# Altium PCB DDR3.PcbDoc (part 5 of 6)
Units mm, origin at the board's own origin, x right, y up, seen from the top; angles counter-clockwise.
Board outline 67.6 x 30 mm, 8 copper layers (L1 Top, L2 GND, L3 Sig, L4 (PWR), L5 (PWR), L6 Sig, L7 GND, L8 Bot), stack 1.714 mm thick; 216 components, 253 nets, 1243 pads, 806 vias.
Unrouted connection lines stored in the file: 13.
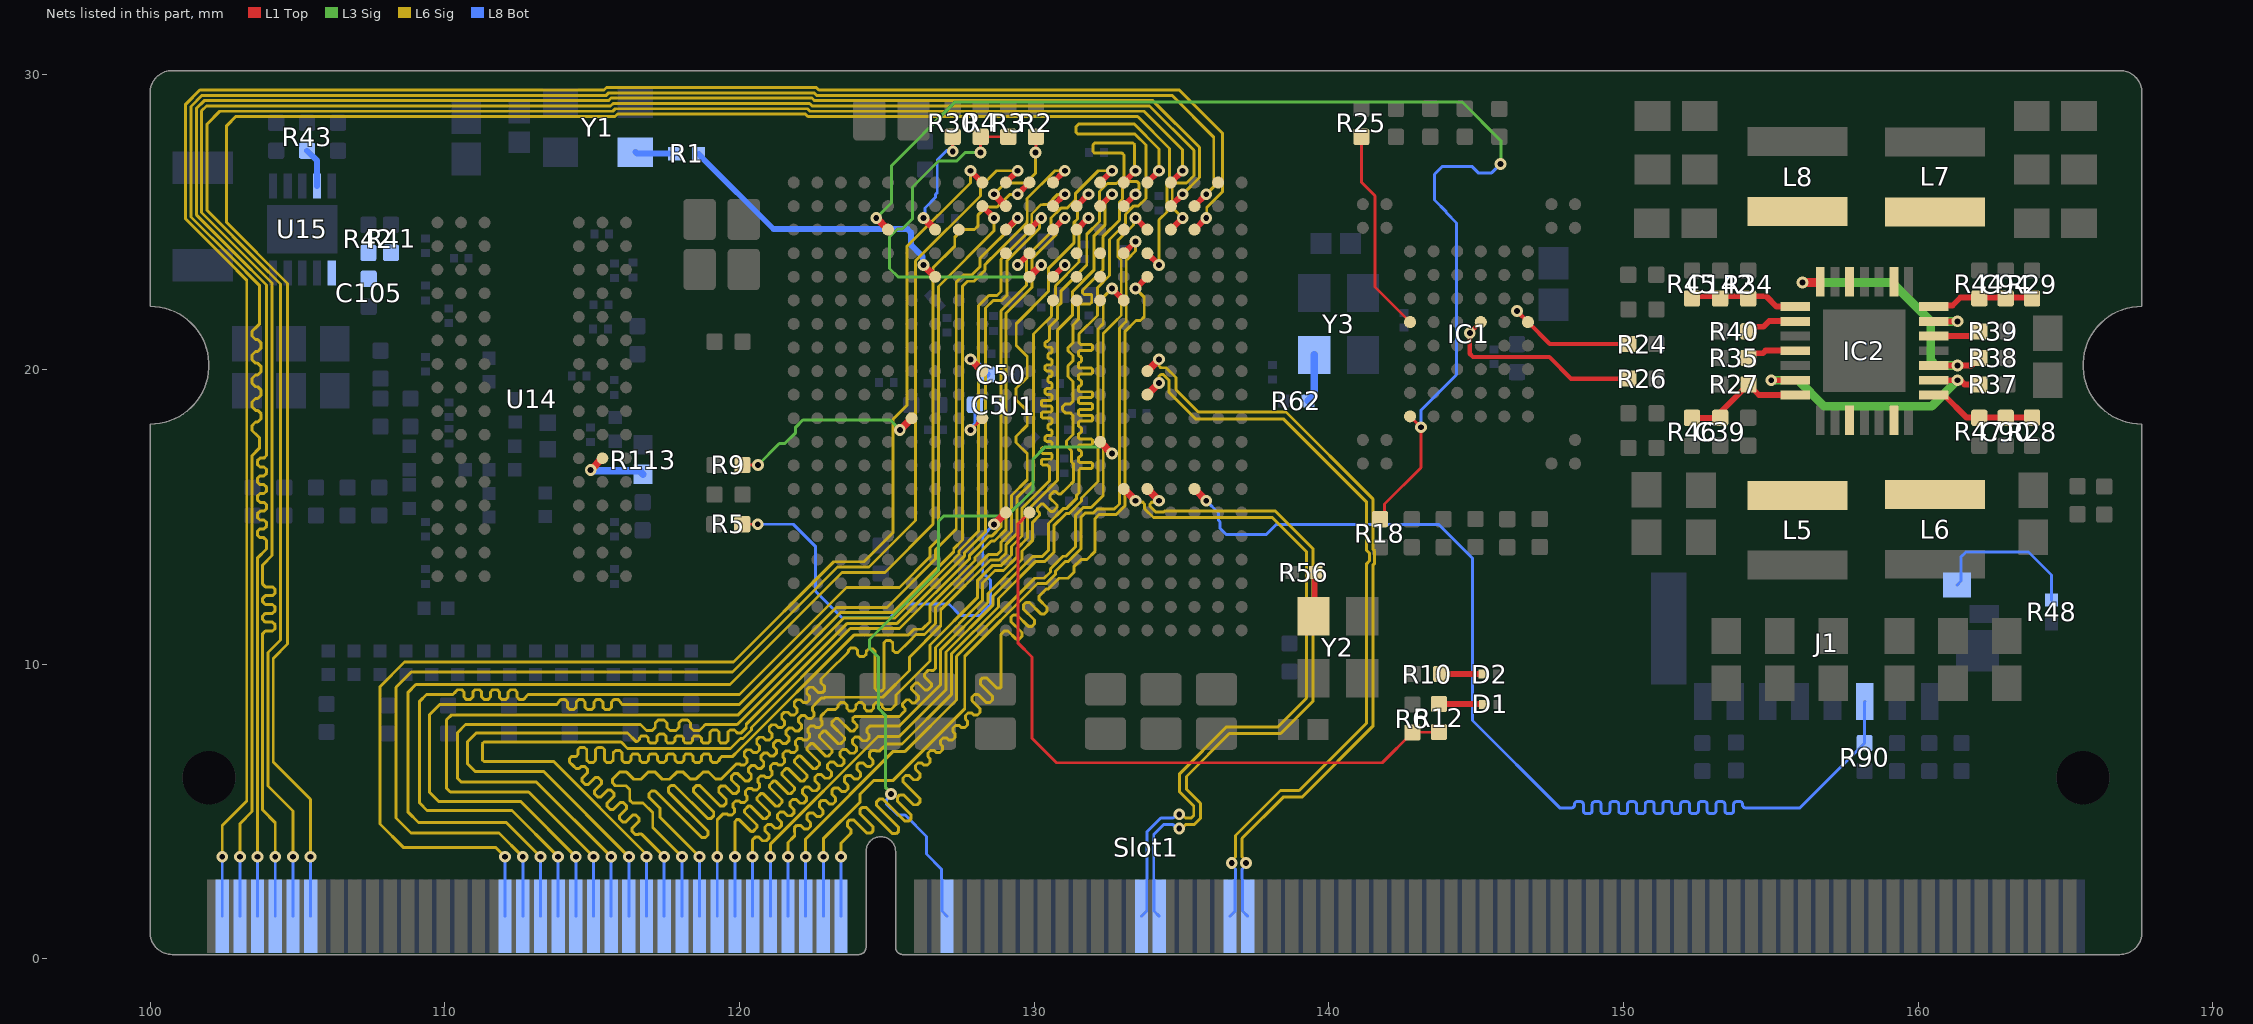
[diagram p11: the nets of this part, all layers, seen from the top]

## Via types
v1: diameter 0.4, hole 0.2, L1 Top to L8 Bot, 802 vias
v2: diameter 0.5, hole 0.2, L1 Top to L8 Bot, 4 vias

## Nets (pads, with @x,y where several pads share a name; then routed paths per layer and width w, separated by ;. In a path a pad name is that pad's centre, name@x,y a point inside that pad or via, vN(x,y) a via of type N, cw(c..) or ccw(c..) an arc to the next point about the centre after c; other vN are vias at no path point) (continued)
IO_L23_T3_35_P: Slot1.76 U1.M14 | length 24
  L1 Top w0.254: U1.M14@132.245,17.551 v1(132.645,17.151)
  L3 Sig w0.1: v1(125.15,5.6) 125.15,5.636 124.955,5.832 124.955,8.274 124.729,8.499 124.729,10.227 124.415,10.541 124.415,10.846 126.755,13.186 126.755,14.852 126.943,15.04 129.092,15.04 129.972,15.92 129.972,16.972 130.382,17.381 132.463,17.381 132.645,17.199 v1(132.645,17.151)
  L8 Bot w0.1: v1(125.15,5.6) 125.15,5.555 124.986,5.391 124.986,5.269 125.37,4.885 125.626,4.885 126.35,4.161 126.35,3.561 126.864,3.048 126.864,2.709 126.875,2.697 126.875,1.625 Slot1.76@127.05,1.45
IO_L24_T3_34_N: Slot1.100 U1.P16 | length 24.1
  L1 Top w0.254: U1.P16@133.845,15.951 v1(134.245,15.551)
  L6 Sig w0.1: v1(134.245,15.551) 134.196,15.502 133.999,15.502 133.94,15.444 133.94,15.361 134.13,15.171 134.414,15.171 134.451,15.208 138.182,15.208 139.472,13.918 139.472,8.756 138.369,7.653 136.628,7.653 135.17,6.195 135.17,5.76 135.647,5.283 135.647,4.774 135.429,4.556 135.138,4.556 135.011,4.43 v1(134.93,4.43)
  L8 Bot w0.1: Slot1.100@134.25,1.45 134.075,1.625 134.075,2.697 134.064,2.709 134.064,4.224 134.396,4.556 134.722,4.556 134.849,4.43 v1(134.93,4.43)
IO_L24_T3_34_P: Slot1.98 U1.P15 | length 24
  L1 Top w0.254: U1.P15@133.045,15.951 v1(133.445,15.551)
  L6 Sig w0.1: v1(133.445,15.551) 133.494,15.502 133.691,15.502 133.75,15.444 133.75,15.282 134.051,14.981 138.088,14.981 139.245,13.824 139.245,8.85 138.275,7.88 136.534,7.88 134.943,6.289 134.943,5.666 135.42,5.189 135.42,4.868 135.335,4.783 135.138,4.783 135.011,4.91 v1(134.93,4.91)
  L8 Bot w0.1: Slot1.98@133.65,1.45 133.825,1.625 133.825,2.697 133.837,2.709 133.837,4.318 134.302,4.783 134.722,4.783 134.849,4.91 v1(134.93,4.91)
IO_L24_T3_AD15_35_N: Slot1.110 U1.J16 | length 26.8
  L1 Top w0.254: U1.J16@133.845,19.951 v1(134.245,20.351)
  L6 Sig w0.1: v1(134.245,20.351) 134.245,20.123 134.304,20.064 134.48,20.064 134.815,19.73 134.815,19.322 135.577,18.56 138.555,18.56 141.497,15.618 141.497,13.914 141.56,13.851 141.56,13.429 141.497,13.366 141.497,7.896 139.091,5.49 138.455,5.49 137.06,4.095 137.06,3.469 137.19,3.338 v1(137.19,3.26)
  L8 Bot w0.1: v1(137.19,3.26) 137.19,3.179 137.064,3.052 137.064,2.709 137.075,2.697 137.075,1.625 Slot1.110@137.25,1.45
IO_L24_T3_AD15_35_P: Slot1.108 U1.K16 | length 26.4
  L1 Top w0.254: U1.K16@133.845,19.151 v1(134.245,19.551)
  L6 Sig w0.1: v1(134.245,19.551) 134.245,19.779 134.304,19.837 134.386,19.837 134.588,19.636 134.588,19.228 135.483,18.333 138.461,18.333 141.29,15.504 141.29,13.867 141.38,13.777 141.38,13.503 141.29,13.413 141.29,8.01 138.997,5.717 138.361,5.717 136.833,4.189 136.833,3.464 136.71,3.341 v1(136.71,3.26)
  L8 Bot w0.1: Slot1.108@136.65,1.45 136.825,1.625 136.825,2.697 136.837,2.709 136.837,3.052 136.71,3.179 v1(136.71,3.26)
NetC5_2: C5.2 U1.L9 | length 1.5
  L1 Top w0.1: v1(127.845,17.951) U1.L9@128.245,18.351
  L8 Bot w0.1: v1(127.845,17.951) 127.845,18.032 127.99,18.177 C5.2@127.99,18.81
NetC39_1: C39.1 IC2.28 R27.2 R46.1 | length 4.1
  L1 Top w0.2: R46.1@152.33,18.366 153.111,18.366 R27.2@154.245,19.5 154.605,19.14 IC2.28@155.83,19.14
NetC50_1: C50.1 U1.J9 | length 1.3
  L1 Top w0.254: v1(127.845,20.351) U1.J9@128.245,19.951
  L8 Bot w0.254: v1(127.845,20.351) 127.884,20.351 C50.1@128.395,19.84
NetC90_1: C90.1 IC2.8 R28.2 R47.1 | length 3.7
  L1 Top w0.2: IC2.8@160.53,19.14 160.88,19.14 161.65,18.37 R28.2@163.869,18.37
NetC94_1: C94.1 IC2.14 R29.2 R44.1 | length 3.5
  L1 Top w0.2: IC2.14@160.53,22.14 160.565,22.175 161.169,22.175 161.444,22.45 162.08,22.45 162.974,22.45 163.835,22.45 R29.2@163.87,22.415
NetC105_2: C105.2 R41.2 R42.2 U15.1
NetC142_2: C142.2 IC2.22 R34.2 R45.1 | length 3.7
  L1 Top w0.2: R45.1@152.329,22.419 152.4,22.49 154.85,22.49 155.2,22.14 IC2.22@155.83,22.14
NetD1_2: D1.2 R12.1 | length 1.5
  L1 Top w0.2: R12.1@143.74,8.655 143.748,8.648 145.222,8.648 D1.2@145.23,8.64
NetD2_2: D2.2 R10.1 | length 1.4
  L1 Top w0.2: R10.1@143.815,9.67 D2.2@145.219,9.671
NetIC1_G3: IC1.G3 R24.2 | length 4.2
  L1 Top w0.15: v1(146.39,21.986) IC1.G3@146.761,21.615 147.506,20.87 R24.2@150.166,20.87
NetIC1_G5: IC1.G5 R26.1 | length 7
  L1 Top w0.15: IC1.G5@145.161,21.615 v1(144.79,21.244) 144.79,20.538 144.898,20.43 147.49,20.43 148.224,19.696 R26.1@150.17,19.696
NetIC1_G8: IC1.G8 R25.2 | length 7
  L1 Top w0.1: R25.2@141.11,27.901 141.11,26.36 141.57,25.9 141.57,22.806 IC1.G8@142.761,21.615
NetIC2_3: IC2.3 L5.1
NetIC2_6: IC2.6 L6.1
NetIC2_16: IC2.16 L7.1
NetIC2_19: IC2.19 L8.1
NetIC2_25: IC2.25 R35.2 | length 1.7
  L1 Top w0.2: R35.2@154.24,20.4 154.396,20.556 154.736,20.556 154.83,20.65 155.82,20.65 IC2.25@155.83,20.64
NetJ1_G4: J1.G4 R48.1 | length 5.3
  L8 Bot w0.1: J1.G4@161.32,12.685 161.46,12.825 161.46,13.65 161.625,13.815 163.745,13.815 164.53,13.03 R48.1@164.53,12.18
NetR1_2: R1.2 Y1.3 | length 1.4
  L8 Bot w0.2: Y1.3@116.47,27.385 116.525,27.33 R1.2@117.81,27.33
NetR2_1: R2.1 U1.B10 | length 3.5
  L1 Top w0.1: v1@130.063,27.38 R2.1@130.063,27.905
  L1 Top w0.254: v1(128.645,25.951) U1.B10@129.045,25.551
  L6 Sig w0.1: v1(128.645,25.951) 129.034,26.34 129.73,26.34 130.053,26.663 v1(130.053,27.37)
NetR3_1: R3.1 R4.1 U1.E11 | length 14
  L1 Top w0.1: R4.1@128.19,27.905 128.19,27.38 v1(128.18,27.37) 128.18,27.905 R3.1@129.126,27.905
  L1 Top w0.254: U1.E11@129.845,23.151 v1(130.245,23.551)
  L3 Sig w0.1: v1(128.18,27.37) 127.667,27.37 127.377,27.08 126.76,27.08 125.88,26.2 125.88,25.119 125.531,24.77 125.368,24.77 125.099,24.5 125.099,23.431 125.379,23.15 129.844,23.15 v1(130.245,23.551)
NetR5_1: R5.1 U1.R10 | length 14.7
  L1 Top w0.1: R5.1@120.101,14.754 v1(120.626,14.754)
  L1 Top w0.254: v1(128.645,14.751) U1.R10@129.045,15.151
  L8 Bot w0.1: v1(120.626,14.754) 121.826,14.754 122.59,13.99 122.59,12.47 123.48,11.58 125.11,11.58 125.58,12.05 127.11,12.05 127.5,11.66 128.155,11.66 128.529,12.034 128.529,12.841 128.26,13.11 128.26,14.366 v1(128.645,14.751)
NetR6_2: R6.2 R12.2 U1.R11 | length 22.6
  L1 Top w0.1: U1.R11@129.845,15.151 129.45,14.756 129.45,10.73 129.93,10.25 129.93,7.49 130.76,6.66 141.815,6.66 R6.2@142.84,7.685 142.85,7.695 143.73,7.695 R12.2@143.74,7.705
NetR9_2: R9.2 U1.L6 | length 6.8
  L1 Top w0.1: R9.2@120.105,16.765 v1(120.63,16.765)
  L1 Top w0.254: v1(125.445,17.951) U1.L6@125.845,18.351
  L3 Sig w0.1: v1(120.63,16.765) 121.355,17.49 121.54,17.49 121.91,17.86 121.91,18.045 122.154,18.289 125.117,18.289 125.445,17.962 v1(125.445,17.951)
NetR43_2: R43.2 U15.9 | length 1.3
  L8 Bot w0.2: R43.2@105.33,27.43 105.67,27.09 U15.9@105.67,26.235
NetR56_2: R56.2 Y2.3 | length 1.3
  L1 Top w0.2: Y2.3@139.485,11.63 139.52,11.665 R56.2@139.52,12.95
NetR62_2: R62.2 Y3.3 | length 1.6
  L8 Bot w0.254: R62.2@139.3,18.94 139.515,19.155 Y3.3@139.515,20.5
NetR113_2: R113.2 U14.L8 | length 2.4
  L1 Top w0.254: v1(114.954,16.593) U14.L8@115.354,16.993
  L8 Bot w0.254: v1(114.954,16.593) 114.982,16.565 116.615,16.565 R113.2@116.73,16.45
PG1: IC2.9 IC2.27 R37.2 | length 9.5
  L1 Top w0.2: v1(155.02,19.64) IC2.27@155.83,19.64 ; IC2.9@160.53,19.64 v1(161.34,19.64) 161.44,19.64 161.581,19.499 R37.2@162.08,19.499
  L3 Sig w0.3: v1(155.02,19.64) 155.93,19.64 156.81,18.76 160.46,18.76 v1(161.34,19.64)
PG2: IC2.10 IC2.13 IC2.21 R38.2 | length 11.2
  L1 Top w0.1: IC2.21@156.65,22.96 IC2.21@156.68,22.99
  L1 Top w0.2: IC2.10@160.53,20.14 161.821,20.14 R38.2@162.08,20.399 ; IC2.13@160.53,21.64 v1(161.34,21.64)
  L1 Top w0.3: v1(156.08,22.96) IC2.21@156.65,22.96
  L3 Sig w0.3: v1(156.08,22.96) 159.11,22.96 160.43,21.64 ; v1(161.34,20.14) 160.606,20.14 160.43,20.316 160.43,21.64 ; v1(161.34,21.64) 160.43,21.64
PG3: IC2.12 R39.2 | length 1.6
  L1 Top w0.2: IC2.12@160.53,21.14 161.921,21.14 R39.2@162.08,21.299
PG4: IC2.23 R40.2 | length 1.7
  L1 Top w0.2: R40.2@154.24,21.3 154.396,21.456 154.756,21.456 154.95,21.65 155.82,21.65 IC2.23@155.83,21.64
PS_MIO15: U1.C8
PS_MIO16: U1.A19
PS_MIO17: U1.E14
PS_MIO18: Slot1.4 U1.B18 | length 68.4
  L1 Top w0.2: U1.B18@135.445,25.551 v1(135.845,25.951)
  L6 Sig w0.1: v1(103.05,3.47) 103.05,4.589 103.462,5.001 103.462,15.019 103.462,17.082 103.71,17.33 103.71,17.65 103.71,17.7 103.59,17.82 103.582,17.82 103.462,17.94 103.462,18.1 103.582,18.22 103.653,18.22 103.773,18.34 103.773,18.5 103.653,18.62 103.582,18.62 103.462,18.74 103.462,18.9 103.582,19.02 103.653,19.02 103.773,19.14 103.773,19.3 103.653,19.42 103.582,19.42 103.462,19.54 103.462,19.7 103.582,19.82 103.653,19.82 103.773,19.94 103.773,20.1 103.653,20.22 103.582,20.22 103.462,20.34 103.462,20.5 103.582,20.62 103.653,20.62 103.773,20.74 103.773,20.9 103.653,21.02 103.582,21.02 103.462,21.14 103.462,21.3 103.582,21.42 103.59,21.42 103.71,21.54 103.71,22.14 103.71,22.865 102.78,23.795 101.39,25.185 101.39,28.934 101.765,29.309 103.145,29.309 104.359,29.309 115.482,29.309 115.568,29.395 122.535,29.395 122.621,29.309 134.68,29.309 136.1,27.889 136.1,26.206 v1(135.845,25.951)
  L8 Bot w0.1: Slot1.4@103.05,1.45 v1(103.05,3.47)
PS_MIO19: U1.D10
PS_MIO20: Slot1.10 U1.A17 | length 63.6
  L1 Top w0.2: U1.A17@134.645,26.351 v1(135.045,26.751)
  L6 Sig w0.1: v1(104.85,3.47) 104.85,5.019 104.002,5.867 104.002,10.402 104.427,10.827 104.427,22.911 103.658,23.68 101.93,25.408 101.93,28.33 102.369,28.769 115.706,28.769 115.792,28.855 122.312,28.855 122.397,28.769 133.731,28.769 135.045,27.455 v1(135.045,26.751)
  L8 Bot w0.1: Slot1.10@104.85,1.45 v1(104.85,3.47)
PS_MIO21: U1.F14
PS_MIO22: Slot1.6 U1.B17 | length 67.9
  L1 Top w0.2: U1.B17@134.645,25.551 v1(135.045,25.951)
  L6 Sig w0.1: v1(103.65,3.47) 103.642,3.478 103.642,13.602 103.953,13.913 103.953,14.157 103.953,14.207 103.863,14.297 103.732,14.297 103.642,14.387 103.642,14.507 103.732,14.597 103.87,14.597 103.96,14.687 103.96,14.807 103.87,14.897 103.732,14.897 103.642,14.987 103.642,15.107 103.732,15.197 103.87,15.197 103.96,15.287 103.96,15.407 103.87,15.497 103.732,15.497 103.642,15.587 103.642,15.707 103.732,15.797 103.87,15.797 103.96,15.887 103.96,16.007 103.87,16.097 103.732,16.097 103.642,16.187 103.642,16.307 103.732,16.397 103.87,16.397 103.96,16.487 103.96,16.607 103.87,16.697 103.732,16.697 103.642,16.787 103.642,16.907 103.732,16.997 103.863,16.997 103.953,17.087 103.953,17.358 103.953,22.876 102.96,23.869 101.57,25.259 101.57,28.86 101.839,29.129 103.22,29.129 104.434,29.129 115.557,29.129 115.643,29.215 122.461,29.215 122.547,29.129 134.031,29.129 135.615,27.545 135.615,26.521 v1(135.045,25.951)
  L8 Bot w0.1: Slot1.6@103.65,1.45 v1(103.65,3.47)
PS_MIO23: U1.D11 | length 0.6
  L1 Top w0.2: v1(129.445,23.551) U1.D11@129.845,23.951
PS_MIO24: Slot1.64 U1.A16 | length 46.1
  L1 Top w0.2: U1.A16@133.845,26.351 v1(134.245,26.751)
  L6 Sig w0.1: v1(121.05,3.47) 121.05,3.892 124.705,7.547 125.423,7.547 127.013,9.136 127.013,10.422 128.615,12.024 128.615,12.323 129.956,13.664 130.283,13.664 130.49,13.871 130.49,14.776 131.008,15.294 131.113,15.294 131.435,15.616 131.435,15.721 131.527,15.813 131.527,15.943 131.527,16.593 131.586,16.651 131.95,16.651 131.99,16.691 131.99,16.811 131.95,16.851 131.542,16.851 131.502,16.891 131.502,17.011 131.542,17.051 131.575,17.051 131.615,17.091 131.615,17.211 131.575,17.251 131.542,17.251 131.502,17.291 131.502,17.411 131.542,17.451 131.95,17.451 131.99,17.491 131.99,17.611 131.95,17.651 131.542,17.651 131.502,17.691 131.502,17.811 131.542,17.851 131.575,17.851 131.615,17.891 131.615,18.011 131.575,18.051 131.542,18.051 131.502,18.091 131.502,18.211 131.542,18.251 131.95,18.251 131.99,18.291 131.99,18.411 131.95,18.451 131.542,18.451 131.502,18.491 131.502,18.611 131.542,18.651 131.95,18.651 131.99,18.691 131.99,18.811 131.95,18.851 131.542,18.851 131.502,18.891 131.502,19.011 131.542,19.051 131.95,19.051 131.99,19.091 131.99,19.211 131.95,19.251 131.542,19.251 131.502,19.291 131.502,19.411 131.542,19.451 131.575,19.451 131.615,19.491 131.615,19.611 131.575,19.651 131.542,19.651 131.502,19.691 131.502,19.811 131.542,19.851 131.95,19.851 131.99,19.891 131.99,20.011 131.95,20.051 131.542,20.051 131.502,20.091 131.502,20.211 131.542,20.251 131.575,20.251 131.615,20.291 131.615,20.411 131.575,20.451 131.542,20.451 131.502,20.491 131.502,20.611 131.542,20.651 131.95,20.651 131.99,20.691 131.99,20.811 131.95,20.851 131.586,20.851 131.527,20.91 131.527,21.193 131.527,21.217 132.15,21.84 132.15,22.783 132.56,23.193 132.56,24.414 133.1,24.954 133.1,25.273 133.387,25.56 133.55,25.56 133.8,25.81 133.8,27.62 133.43,27.99 131.489,27.99 131.43,28.049 131.43,28.25 131.51,28.33 133.405,28.33 134.245,27.49 v1(134.245,26.751)
  L8 Bot w0.1: Slot1.64@121.05,1.45 v1(121.05,3.47)
PS_MIO25: Slot1.66 U1.F15 | length 30.2
  L1 Top w0.2: v1(132.645,22.751) U1.F15@133.045,22.351
  L6 Sig w0.1: v1(121.65,3.47) 121.65,3.951 121.845,4.145 121.88,4.181 121.88,4.308 121.864,4.324 121.864,4.451 121.949,4.536 122.076,4.536 122.203,4.41 122.33,4.41 122.415,4.494 122.415,4.622 122.288,4.748 122.288,4.876 122.373,4.961 122.5,4.961 122.627,4.834 122.754,4.834 122.839,4.919 122.839,5.046 122.712,5.173 122.712,5.3 122.797,5.385 122.924,5.385 123.051,5.258 123.179,5.258 123.263,5.343 123.263,5.47 123.137,5.597 123.137,5.724 123.221,5.809 123.349,5.809 123.476,5.682 123.603,5.682 123.688,5.767 123.688,5.894 123.561,6.021 123.561,6.149 123.646,6.233 123.773,6.233 123.9,6.107 124.027,6.107 124.112,6.191 124.112,6.319 123.985,6.446 123.985,6.573 124.07,6.658 124.197,6.658 124.324,6.531 124.451,6.531 124.536,6.616 124.536,6.743 124.409,6.87 124.409,6.997 124.494,7.082 124.621,7.082 124.638,7.066 124.765,7.066 124.815,7.116 124.991,7.292 125.515,7.292 127.193,8.969 127.193,10.348 128.795,11.95 128.795,12.234 130.044,13.484 130.357,13.484 130.672,13.798 130.672,14.703 131.082,15.114 131.188,15.114 131.615,15.541 131.615,15.646 132.17,16.201 132.17,21.38 132.35,21.56 132.35,22.456 v1(132.645,22.751)
  L8 Bot w0.1: Slot1.66@121.65,1.45 v1(121.65,3.47)
PS_MIO26: Slot1.58 U1.A15 | length 45
  L1 Top w0.2: U1.A15@133.045,26.351 v1(133.445,26.751)
  L6 Sig w0.1: v1(119.25,3.47) 119.25,4.636 119.25,4.723 119.454,4.927 119.581,4.927 119.62,4.887 119.748,4.887 119.832,4.972 119.832,5.1 119.784,5.148 119.784,5.275 119.869,5.36 119.996,5.36 120.045,5.312 120.172,5.312 120.257,5.397 120.257,5.524 120.209,5.572 120.209,5.699 120.293,5.784 120.421,5.784 120.469,5.736 120.596,5.736 120.681,5.821 120.681,5.948 120.633,5.996 120.633,6.123 120.718,6.208 120.845,6.208 120.893,6.16 121.02,6.16 121.105,6.245 121.105,6.372 121.057,6.42 121.057,6.548 121.142,6.633 121.269,6.633 121.317,6.584 121.445,6.584 121.53,6.669 121.53,6.797 121.481,6.845 121.481,6.972 121.566,7.057 121.694,7.057 121.742,7.009 121.869,7.009 121.954,7.094 121.954,7.221 121.906,7.269 121.906,7.396 121.991,7.481 122.118,7.481 122.166,7.433 122.293,7.433 122.378,7.518 122.378,7.645 122.33,7.693 122.33,7.821 122.415,7.905 122.542,7.905 122.59,7.857 122.717,7.857 122.802,7.942 122.802,8.069 122.763,8.109 122.763,8.236 122.993,8.466 123.21,8.466 123.26,8.466 123.35,8.556 123.35,8.613 123.44,8.703 123.56,8.703 123.65,8.613 123.65,8.501 123.74,8.411 123.86,8.411 123.95,8.501 123.95,8.613 124.04,8.703 124.16,8.703 124.25,8.613 124.25,8.501 124.34,8.411 124.46,8.411 124.55,8.501 124.55,8.613 124.64,8.703 124.76,8.703 124.85,8.613 124.85,8.556 124.94,8.466 125.144,8.466 125.32,8.642 125.32,8.96 126.473,10.113 126.473,10.653 128.075,12.256 128.075,12.838 128.599,13.361 128.889,13.361 129.235,13.707 129.235,13.998 129.595,14.358 129.595,15.3 130.52,16.225 130.52,16.252 130.52,16.702 130.461,16.76 130.288,16.76 130.248,16.8 130.248,16.92 130.288,16.96 130.57,16.96 130.61,17 130.61,17.12 130.57,17.16 130.288,17.16 130.248,17.2 130.248,17.32 130.288,17.36 130.57,17.36 130.61,17.4 130.61,17.52 130.57,17.56 130.42,17.56 130.38,17.6 130.38,17.72 130.42,17.76 130.57,17.76 130.61,17.8 130.61,17.92 130.57,17.96 130.515,17.96 130.475,18 130.475,18.12 130.515,18.16 130.57,18.16 130.61,18.2 130.61,18.32 130.57,18.36 130.288,18.36 130.248,18.4 130.248,18.52 130.288,18.56 130.57,18.56 130.61,18.6 130.61,18.72 130.57,18.76 130.288,18.76 130.248,18.8 130.248,18.92 130.288,18.96 130.57,18.96 130.61,19 130.61,19.12 130.57,19.16 130.42,19.16 130.38,19.2 130.38,19.32 130.42,19.36 130.57,19.36 130.61,19.4 130.61,19.52 130.57,19.56 130.515,19.56 130.475,19.6 130.475,19.72 130.515,19.76 130.57,19.76 130.61,19.8 130.61,19.92 130.57,19.96 130.42,19.96 130.38,20 130.38,20.12 130.42,20.16 130.57,20.16 130.61,20.2 130.61,20.32 130.57,20.36 130.515,20.36 130.475,20.4 130.475,20.52 130.515,20.56 130.57,20.56 130.61,20.6 130.61,20.72 130.57,20.76 130.42,20.76 130.38,20.8 130.38,20.92 130.42,20.96 130.461,20.96 130.52,21.019 130.52,21.329 130.52,21.45 130.79,21.72 130.79,22.14 130.92,22.27 130.92,22.68 131.79,23.55 131.79,24.599 132.22,25.029 132.22,26.049 132.492,26.321 132.801,26.321 133.055,26.575 133.055,27.284 132.993,27.347 132.059,27.347 132,27.406 132,27.631 132.059,27.69 133.357,27.69 133.416,27.631 133.416,26.78 v1(133.445,26.751)
  L8 Bot w0.1: Slot1.58@119.25,1.45 v1(119.25,3.47)
PS_MIO27: U1.D13
PS_MIO28: Slot1.68 U1.C16 | length 29.7
  L1 Top w0.2: v1(133.445,25.151) U1.C16@133.845,24.751
  L6 Sig w0.08: 132.825,21.705 132.965,21.845 132.965,23.702 132.842,23.824
  L6 Sig w0.1: v1(122.25,3.47) 122.25,4.075 125.222,7.047 125.628,7.047 127.373,8.792 127.373,10.273 130.021,12.921 130.34,12.921 130.555,13.136 130.555,13.241 130.982,13.667 131.087,13.667 131.409,13.99 131.409,15.061 131.669,15.321 131.94,15.321 132.35,15.731 132.35,21.23 132.825,21.705 ; 132.842,23.824 132.842,24.379 133.372,24.909 133.372,24.942 133.388,24.958 133.388,25.094 v1(133.445,25.151)
  L8 Bot w0.1: Slot1.68@122.25,1.45 v1(122.25,3.47)
PS_MIO29: Slot1.56 U1.C13 | length 45.2
  L1 Top w0.2: U1.C13@131.445,24.751 v1(131.845,25.151)
  L6 Sig w0.1: v1(118.65,3.47) 117.3,4.82 117.3,5.05 117.3,5.121 116.931,5.489 116.931,5.617 117.016,5.702 117.143,5.702 118.723,4.122 118.85,4.122 118.935,4.207 118.935,4.335 117.59,5.679 117.59,5.807 117.675,5.891 117.802,5.891 118.919,4.774 119.047,4.774 119.131,4.859 119.131,4.986 118.449,5.668 118.449,5.796 118.534,5.881 118.661,5.881 119.344,5.198 119.471,5.198 119.556,5.283 119.556,5.411 119.301,5.665 119.301,5.793 119.386,5.877 119.513,5.877 119.768,5.623 119.895,5.623 119.98,5.708 119.98,5.835 119.737,6.078 119.737,6.205 119.822,6.29 119.949,6.29 120.192,6.047 120.319,6.047 120.404,6.132 120.404,6.259 120.315,6.348 120.315,6.475 120.4,6.56 120.527,6.56 120.616,6.471 120.744,6.471 120.829,6.556 120.829,6.683 120.74,6.772 120.74,6.9 120.824,6.984 120.952,6.984 121.041,6.895 121.168,6.895 121.253,6.98 121.253,7.108 121.164,7.197 121.164,7.324 121.249,7.409 121.376,7.409 121.465,7.32 121.592,7.32 121.677,7.405 121.677,7.532 121.588,7.621 121.588,7.748 121.673,7.833 121.8,7.833 121.889,7.744 122.016,7.744 122.101,7.829 122.101,7.956 122.012,8.045 122.012,8.172 122.097,8.257 122.225,8.257 122.322,8.159 122.45,8.159 122.534,8.244 122.534,8.372 122.479,8.427 122.479,8.554 122.619,8.694 122.783,8.858 122.884,8.858 122.909,8.883 124.867,8.883 125.77,9.786 125.77,10.242 126.835,11.307 126.835,11.852 128.524,13.541 128.815,13.541 129.055,13.781 129.055,14.072 129.415,14.432 129.415,15.65 129.98,16.215 129.98,21.205 130.015,21.24 130.015,21.246 130.15,21.381 130.156,21.381 130.589,21.815 130.589,22.296 130.725,22.432 130.725,22.845 131.53,23.65 131.53,24.836 v1(131.845,25.151)
  L8 Bot w0.1: Slot1.56@118.65,1.45 v1(118.65,3.47)
PS_MIO30: U1.C15
PS_MIO31: Slot1.72 U1.E16 | length 42.1
  L1 Top w0.2: v1(133.445,22.751) U1.E16@133.845,23.151
  L6 Sig w0.1: v1(123.45,3.47) 123.45,3.93 123.748,4.228 123.784,4.264 123.784,4.391 123.663,4.511 123.663,4.639 123.748,4.723 123.875,4.723 124.33,4.269 124.457,4.269 124.542,4.354 124.542,4.481 124.087,4.936 124.087,5.063 124.172,5.148 124.3,5.148 125.195,4.252 125.322,4.252 125.407,4.337 125.407,4.464 124.66,5.212 124.66,5.339 124.745,5.424 124.872,5.424 125.619,4.677 125.746,4.677 125.831,4.761 125.831,4.889 125.361,5.359 125.361,5.486 125.446,5.571 125.573,5.571 125.911,5.233 126.038,5.233 126.123,5.318 126.123,5.446 125.553,6.016 125.553,6.143 125.638,6.228 125.765,6.228 125.911,6.082 126.038,6.082 126.123,6.167 126.123,6.294 125.977,6.44 125.977,6.567 126.062,6.652 126.189,6.652 126.255,6.586 126.382,6.586 126.467,6.671 126.467,6.799 126.401,6.864 126.401,6.992 126.486,7.076 126.613,7.076 126.679,7.011 126.806,7.011 126.891,7.096 126.891,7.223 126.826,7.289 126.826,7.416 126.91,7.501 127.038,7.501 127.103,7.435 127.231,7.435 127.316,7.52 127.316,7.647 127.25,7.713 127.25,7.84 127.335,7.925 127.462,7.925 127.528,7.859 127.655,7.859 127.74,7.944 127.74,8.071 127.674,8.137 127.674,8.264 127.759,8.349 127.886,8.349 127.952,8.283 128.079,8.283 128.164,8.368 128.164,8.496 127.892,8.767 127.892,8.894 127.977,8.979 128.105,8.979 128.376,8.708 128.503,8.708 128.588,8.793 128.588,8.92 128.178,9.33 128.178,9.458 128.263,9.542 128.39,9.542 128.73,9.203 128.857,9.203 128.875,9.221 128.875,9.259 128.875,10.028 128.875,11.017 128.898,11.041 128.988,11.13 129.116,11.13 129.381,10.865 129.508,10.865 129.593,10.95 129.593,11.077 129.213,11.457 129.213,11.584 129.298,11.669 129.425,11.669 129.805,11.289 129.933,11.289 130.017,11.374 130.017,11.501 129.637,11.881 129.637,12.009 129.722,12.094 129.85,12.094 130.23,11.714 130.357,11.714 130.442,11.798 130.442,11.926 130.176,12.191 130.176,12.318 130.269,12.411 130.419,12.561 130.489,12.561 130.849,12.921 131.155,12.921 131.352,13.118 131.352,13.31 131.602,13.561 131.797,13.561 132.075,13.839 132.075,14.947 132.209,15.081 132.79,15.081 133.08,15.371 133.08,21.29 133.46,21.67 133.615,21.67 133.74,21.795 133.74,22.456 v1(133.445,22.751)
  L8 Bot w0.1: Slot1.72@123.45,1.45 v1(123.45,3.47)
PS_MIO32: Slot1.50 U1.A14 | length 45.1
  L1 Top w0.2: U1.A14@132.245,26.351 v1(132.645,26.751)
  L6 Sig w0.1: v1(116.85,3.47) 116.85,3.55 113.702,6.698 111.336,6.698 111.277,6.757 111.277,7.301 111.336,7.36 115.99,7.36 116.207,7.143 119.698,7.143 120.039,7.484 120.125,7.484 120.414,7.773 120.414,7.859 123.767,11.212 125.431,11.212 127.815,13.596 127.815,13.701 128.475,14.361 128.58,14.361 128.875,14.656 128.875,21.996 129.74,22.861 129.74,23.83 130.575,24.665 130.575,25.148 130.908,25.481 131.12,25.481 131.4,25.761 131.4,25.97 131.515,26.085 131.515,26.088 131.637,26.21 131.64,26.21 132.181,26.751 v1(132.645,26.751)
  L8 Bot w0.1: Slot1.50@116.85,1.45 v1(116.85,3.47)
PS_MIO33: Slot1.70 U1.D15 | length 29
  L1 Top w0.2: U1.D15@133.045,23.951 v1(133.445,24.351)
  L6 Sig w0.08: 133.125,21.63 133.125,23.705 133.16,23.74
  L6 Sig w0.1: v1(122.85,3.47) 122.85,4.08 124.1,5.33 124.1,5.6 124.55,6.05 125.205,6.05 127.649,8.494 127.649,10.275 130.115,12.741 130.415,12.741 130.735,13.062 130.735,13.167 131.056,13.487 131.161,13.487 131.589,13.915 131.589,14.986 131.744,15.141 132.015,15.141 132.145,15.271 132.726,15.271 132.9,15.445 132.9,21.405 133.125,21.63 ; 133.16,23.74 133.445,24.025 v1(133.445,24.351)
  L8 Bot w0.1: Slot1.70@122.85,1.45 v1(122.85,3.47)
PS_MIO34: Slot1.44 U1.A12 | length 45.2
  L1 Top w0.2: U1.A12@130.645,26.351 v1(131.045,26.751)
  L6 Sig w0.08: 129.765,25.038 129.765,25.421
  L6 Sig w0.1: v1(115.05,3.47) 112.85,5.67 110.19,5.67 110.065,5.795 110.065,8.115 110.237,8.287 119.965,8.287 123.43,11.752 125.208,11.752 127.275,13.819 127.275,13.924 127.574,14.223 127.574,22.834 127.74,23 127.964,23 128.34,23.376 128.34,23.564 128.415,23.639 128.415,23.646 128.55,23.781 128.557,23.781 129.755,24.979 129.755,25.038 ; 129.765,25.421 129.765,25.804 130.712,26.751 v1(131.045,26.751)
  L8 Bot w0.1: Slot1.44@115.05,1.45 v1(115.05,3.47)
PS_MIO35: U1.F12
PS_MIO36: Slot1.38 U1.A11 | length 44.9
  L1 Top w0.2: v1(129.445,25.951) U1.A11@129.845,26.351
  L6 Sig w0.1: v1(113.25,3.47) 112.09,4.63 109.11,4.63 108.76,4.98 108.76,9.056 109.021,9.317 119.68,9.317 123.482,13.119 124.938,13.119 126.575,14.756 126.575,23.455 127.31,24.19 127.31,24.49 127.58,24.76 127.98,24.76 128.105,24.885 128.105,25.255 128.37,25.52 128.75,25.52 129.181,25.951 v1(129.445,25.951)
  L8 Bot w0.1: Slot1.38@113.25,1.45 v1(113.25,3.47)
PS_MIO37: Slot1.36 U1.A10 | length 45.6
  L1 Top w0.2: U1.A10@129.045,26.351 v1(129.445,26.751)
  L6 Sig w0.1: v1(112.65,3.47) 111.841,4.279 108.858,4.279 108.35,4.787 108.35,9.22 108.866,9.736 119.771,9.736 123.334,13.299 124.395,13.299 125.978,14.881 125.978,23.695 128.18,25.897 128.18,26.2 128.731,26.751 v1(129.445,26.751)
  L8 Bot w0.1: Slot1.36@112.65,1.45 v1(112.65,3.47)
PS_MIO38: U1.E13
PS_MIO39: Slot1.2 U1.C18 | length 68.5
  L1 Top w0.2: U1.C18@135.445,24.751 v1(135.845,25.151)
  L6 Sig w0.1: v1(102.45,3.47) 102.45,4.53 103.282,5.362 103.282,23.038 102.6,23.72 101.21,25.11 101.21,29.009 101.69,29.489 103.071,29.489 104.284,29.489 115.407,29.489 115.493,29.575 122.61,29.575 122.696,29.489 134.931,29.489 136.39,28.03 136.39,26.029 135.862,25.501 135.862,25.168 v1(135.845,25.151)
  L8 Bot w0.1: Slot1.2@102.45,1.45 v1(102.45,3.47)
PS_MIO40: U1.D14
PS_MIO41: Slot1.8 U1.C17 | length 68.5
  L1 Top w0.2: U1.C17@134.645,24.751 v1(135.045,25.151)
  L6 Sig w0.1: v1(104.25,3.47) 104.25,4.624 103.822,5.052 103.822,10.69 103.822,11.04 103.912,11.13 104.157,11.13 104.247,11.22 104.247,11.34 104.157,11.43 103.912,11.43 103.822,11.52 103.822,11.64 103.912,11.73 104.157,11.73 104.247,11.82 104.247,11.94 104.157,12.03 103.912,12.03 103.822,12.12 103.822,12.24 103.912,12.33 104.157,12.33 104.247,12.42 104.247,12.54 104.157,12.63 103.912,12.63 103.822,12.72 103.822,13.104 103.822,13.372 104.14,13.69 104.14,22.944 103.14,23.944 101.75,25.334 101.75,28.785 101.914,28.949 103.294,28.949 104.508,28.949 115.631,28.949 115.717,29.035 122.386,29.035 122.472,28.949 133.921,28.949 135.425,27.445 135.425,26.591 135.171,26.336 134.813,26.336 134.69,26.213 134.69,25.506 v1(135.045,25.151)
  L8 Bot w0.1: Slot1.8@104.25,1.45 v1(104.25,3.47)
PS_MIO42: U1.E12 | length 0.6
  L1 Top w0.2: U1.E12@130.645,23.151 v1(131.045,23.551)
PS_MIO43: Slot1.34 U1.A9 | length 44.9
  L1 Top w0.2: v1(127.845,26.751) U1.A9@128.245,26.351
  L6 Sig w0.1: v1(112.05,3.47) 111.743,3.777 108.607,3.777 107.8,4.584 107.8,9.24 108.64,10.08 119.8,10.08 123.201,13.48 124.233,13.48 125.215,14.463 125.215,18.046 ; 125.216,18.047 125.216,18.316 125.683,18.783 125.683,24.176 127.845,26.338 v1(127.845,26.751)
  L8 Bot w0.1: Slot1.34@112.05,1.45 v1(112.05,3.47)
PS_MIO44: U1.F13
PS_MIO45: Slot1.62 U1.B15 | length 39.4
  L1 Top w0.2: U1.B15@133.045,25.551 v1(133.445,25.951)
  L6 Sig w0.1: v1(120.45,3.47) 120.45,3.857 120.45,4.045 120.54,4.135 120.667,4.135 120.789,4.013 120.916,4.013 121.001,4.098 121.001,4.225 120.874,4.353 120.874,4.48 120.958,4.565 121.086,4.565 121.213,4.437 121.34,4.437 121.425,4.522 121.425,4.649 121.298,4.777 121.298,4.904 121.383,4.989 121.51,4.989 121.637,4.861 121.765,4.861 121.85,4.946 121.85,5.074 121.722,5.201 121.722,5.328 121.807,5.413 121.934,5.413 122.062,5.286 122.189,5.286 122.274,5.371 122.274,5.498 122.146,5.625 122.146,5.753 122.231,5.838 122.358,5.838 122.486,5.71 122.613,5.71 122.698,5.795 122.698,5.922 122.571,6.05 122.571,6.177 122.655,6.262 122.783,6.262 122.91,6.134 123.037,6.134 123.122,6.219 123.122,6.346 122.995,6.474 122.995,6.601 123.08,6.686 123.207,6.686 123.334,6.559 123.462,6.559 123.547,6.643 123.547,6.771 123.419,6.898 123.419,7.025 123.504,7.11 123.631,7.11 123.759,6.983 123.886,6.983 123.971,7.068 123.971,7.195 123.843,7.322 123.843,7.45 123.928,7.535 124.055,7.535 124.183,7.407 124.31,7.407 124.395,7.492 124.395,7.619 124.331,7.683 124.331,7.81 124.421,7.9 124.67,7.9 125.419,7.9 126.833,9.314 126.833,10.497 128.435,12.099 128.435,12.398 129.595,13.558 129.595,13.848 129.955,14.208 129.955,14.824 130.154,15.023 130.189,15.058 130.189,15.143 130.111,15.221 130.111,15.306 130.238,15.433 130.323,15.433 130.565,15.191 130.65,15.191 130.778,15.318 130.778,15.403 130.535,15.645 130.535,15.73 130.662,15.858 130.747,15.858 130.825,15.779 130.91,15.779 131.15,16.02 131.347,16.216 131.347,16.791 131.275,16.863 131.275,17.246 131.102,17.419 131.102,17.583 131.322,17.803 ; 131.322,17.795 131.322,18.445 131.232,18.535 131.06,18.535 130.97,18.625 130.97,18.745 131.06,18.835 131.232,18.835 131.322,18.925 131.322,19.097 131.322,19.6 131.15,19.771 131.15,20.131 131.322,20.302 131.322,20.479 131.148,20.653 131.148,20.735 131.322,20.91 131.322,21.517 131.504,21.699 131.504,22.171 131.563,22.23 131.901,22.23 131.96,22.289 131.96,22.534 131.943,22.55 131.7,22.55 131.641,22.609 131.641,22.691 132.098,23.148 132.1,23.148 132.335,23.383 132.335,24.508 132.9,25.073 132.9,25.69 133,25.79 133,26.16 133.22,26.38 133.5,26.38 133.57,26.31 133.57,26.157 133.445,26.032 v1(133.445,25.951)
  L8 Bot w0.1: Slot1.62@120.45,1.45 v1(120.45,3.47)
PS_MIO46: Slot1.12 U1.D16 | length 65.7
  L1 Top w0.2: U1.D16@133.845,23.951 v1(134.245,23.551)
  L6 Sig w0.1: v1(105.45,3.47) 105.45,5.42 104.182,6.688 104.182,10.202 104.669,10.689 104.669,22.924 102.6,24.993 102.6,28.28 102.909,28.589 115.78,28.589 115.866,28.675 122.237,28.675 122.323,28.589 133.518,28.589 134.599,27.508 134.599,26.431 134.51,26.342 134.51,25.35 134.245,25.085 v1(134.245,23.551)
  L8 Bot w0.1: Slot1.12@105.45,1.45 v1(105.45,3.47)
PS_MIO47: Slot1.60 U1.B14 | length 44.4
  L1 Top w0.2: U1.B14@132.245,25.551 v1(132.645,25.951)
  L6 Sig w0.1: v1(119.85,3.47) 119.85,4.377 119.85,4.668 119.91,4.728 119.995,4.728 120.388,4.334 120.473,4.334 120.6,4.461 120.6,4.546 120.173,4.974 120.173,5.058 120.3,5.186 120.385,5.186 120.813,4.758 120.897,4.758 121.025,4.886 121.025,4.97 120.597,5.398 120.597,5.483 120.725,5.61 120.81,5.61 121.237,5.183 121.322,5.183 121.449,5.31 121.449,5.395 121.022,5.822 121.022,5.907 121.149,6.034 121.234,6.034 121.661,5.607 121.746,5.607 121.873,5.734 121.873,5.819 121.446,6.246 121.446,6.331 121.573,6.458 121.658,6.458 122.085,6.031 122.17,6.031 122.298,6.158 122.298,6.243 121.87,6.671 121.87,6.755 121.997,6.883 122.082,6.883 122.51,6.455 122.595,6.455 122.722,6.583 122.722,6.668 122.294,7.095 122.294,7.18 122.422,7.307 122.507,7.307 122.934,6.88 123.019,6.88 123.146,7.007 123.146,7.092 122.719,7.519 122.719,7.604 122.846,7.731 122.931,7.731 123.358,7.304 123.443,7.304 123.57,7.431 123.57,7.516 123.135,7.951 123.135,8.036 123.262,8.163 123.347,8.163 123.782,7.728 123.867,7.728 123.995,7.855 123.995,7.94 123.849,8.086 123.849,8.171 123.909,8.231 124.197,8.231 125.431,8.231 125.582,8.382 125.617,8.417 125.617,8.505 125.543,8.579 125.543,8.666 125.673,8.797 125.76,8.797 125.867,8.69 125.954,8.69 126.085,8.821 126.085,8.908 125.847,9.146 125.847,9.233 125.978,9.363 126.065,9.363 126.303,9.126 126.39,9.126 126.521,9.256 126.521,9.343 126.283,9.581 126.283,9.668 126.414,9.799 126.501,9.799 126.504,9.796 126.591,9.796 126.653,9.857 126.653,10.104 126.653,10.571 128.255,12.173 128.255,12.763 128.673,13.181 128.964,13.181 129.415,13.632 129.415,13.923 129.775,14.283 129.775,15.225 130.79,16.24 130.79,21.335 131.3,21.845 131.3,22.64 132.03,23.37 132.03,24.531 132.402,24.903 132.402,25.647 132.645,25.889 v1(132.645,25.951)
  L8 Bot w0.1: Slot1.60@119.85,1.45 v1(119.85,3.47)
PS_MIO48: Slot1.46 U1.B12 | length 45.2
  L1 Top w0.2: U1.B12@130.645,25.551 v1(131.045,25.951)
  L6 Sig w0.08: 129.84,24.71 129.854,24.71 129.925,24.781 129.925,25.284 130.241,25.6 130.31,25.6
  L6 Sig w0.1: v1(115.65,3.47) 113.11,6.01 110.56,6.01 110.44,6.13 110.44,7.69 110.705,7.955 115.396,7.955 116.646,7.955 116.746,7.855 116.746,7.853 116.846,7.753 117.046,7.753 117.146,7.853 117.146,8.007 117.246,8.107 117.446,8.107 117.546,8.007 117.546,7.853 117.646,7.753 117.846,7.753 117.946,7.853 117.946,8.007 118.046,8.107 118.246,8.107 118.346,8.007 118.346,7.853 118.446,7.753 118.646,7.753 118.746,7.853 118.746,7.855 118.846,7.955 119.374,7.955 119.926,7.955 123.542,11.572 125.282,11.572 127.455,13.745 127.455,13.85 128.11,14.505 128.11,22.165 128.466,22.521 128.74,22.521 128.875,22.656 128.875,23.745 129.84,24.71 ; 130.31,25.6 130.457,25.6 130.808,25.951 v1(131.045,25.951)
  L8 Bot w0.1: Slot1.46@115.65,1.45 v1(115.65,3.47)
PS_MIO49: Slot1.52 U1.C12 | length 45
  L1 Top w0.2: U1.C12@130.645,24.751 v1(131.045,25.151)
  L6 Sig w0.1: v1(117.45,3.47) 116.72,4.2 116.684,4.236 116.578,4.236 116.571,4.228 116.465,4.228 116.359,4.334 116.359,4.44 116.591,4.672 116.591,4.778 116.485,4.885 116.379,4.885 116.146,4.652 116.04,4.652 115.934,4.758 115.934,4.864 116.166,5.097 116.166,5.203 116.06,5.309 115.954,5.309 115.722,5.077 115.616,5.077 115.51,5.183 115.51,5.289 115.742,5.521 115.742,5.627 115.636,5.733 115.53,5.733 115.298,5.501 115.192,5.501 115.086,5.607 115.086,5.713 115.318,5.945 115.318,6.051 115.212,6.157 115.106,6.157 114.874,5.925 114.768,5.925 114.662,6.031 114.662,6.137 114.852,6.327 114.852,6.433 114.745,6.539 114.639,6.539 114.563,6.463 114.457,6.463 114.363,6.557 114.24,6.68 114.24,6.808 114.299,6.866 114.395,6.866 114.445,6.866 114.52,6.941 114.52,7.105 114.595,7.18 114.745,7.18 114.82,7.105 114.82,6.747 114.895,6.672 115.045,6.672 115.12,6.747 115.12,7.105 115.195,7.18 115.345,7.18 115.42,7.105 115.42,6.747 115.495,6.672 115.645,6.672 115.72,6.747 115.72,7 115.795,7.075 115.945,7.075 116.02,7 116.02,6.747 116.095,6.672 116.245,6.672 116.32,6.747 116.32,6.888 116.395,6.963 116.545,6.963 116.62,6.888 116.62,6.747 116.695,6.672 116.845,6.672 116.92,6.747 116.92,6.888 116.995,6.963 117.145,6.963 117.22,6.888 117.22,6.747 117.295,6.672 117.445,6.672 117.52,6.747 117.52,6.888 117.595,6.963 117.745,6.963 117.82,6.888 117.82,6.747 117.895,6.672 118.045,6.672 118.12,6.747 118.12,6.888 118.195,6.963 118.345,6.963 118.42,6.888 118.42,6.747 118.495,6.672 118.645,6.672 118.72,6.747 118.72,6.888 118.795,6.963 118.945,6.963 119.02,6.888 119.02,6.747 119.095,6.672 119.245,6.672 119.32,6.747 119.32,6.791 119.395,6.866 119.761,6.866 119.984,7.089 123.885,10.99 125.723,10.99 125.923,11.19 126.209,11.19 126.475,11.456 126.475,12.001 127.995,13.521 127.995,13.626 128.55,14.181 128.655,14.181 129.055,14.581 129.055,21.922 129.93,22.797 129.93,23.765 130.755,24.59 130.755,24.861 v1(131.045,25.151)
  L8 Bot w0.1: Slot1.52@117.45,1.45 v1(117.45,3.47)
PS_MIO50: Slot1.54 U1.B13 | length 45
  L1 Top w0.2: U1.B13@131.445,25.551 v1(131.845,25.951)
  L6 Sig w0.1: v1(118.05,3.47) 117.06,4.46 117.06,4.967 116.733,5.294 116.376,5.294 116.28,5.39 116.28,5.75 116.15,5.88 115.79,5.88 115.692,5.978 115.692,6.1 115.932,6.34 116.177,6.34 116.417,6.1 116.662,6.1 116.902,6.34 117.147,6.34 117.387,6.1 117.632,6.1 117.872,6.34 118.098,6.34 118.325,6.113 118.536,6.113 118.773,6.35 118.948,6.35 119.189,6.11 119.387,6.11 119.642,6.365 119.89,6.612 120.017,6.612 120.044,6.586 120.171,6.586 120.256,6.67 120.256,6.798 120.165,6.888 120.165,7.016 120.25,7.101 120.377,7.101 120.468,7.01 120.595,7.01 120.68,7.095 120.68,7.222 120.59,7.313 120.59,7.44 120.674,7.525 120.802,7.525 120.892,7.434 121.02,7.434 121.104,7.519 121.104,7.646 121.014,7.737 121.014,7.864 121.099,7.949 121.226,7.949 121.317,7.858 121.444,7.858 121.529,7.943 121.529,8.071 121.438,8.161 121.438,8.288 121.523,8.373 121.65,8.373 121.741,8.283 121.868,8.283 121.953,8.368 121.953,8.495 121.862,8.585 121.862,8.713 121.947,8.798 122.074,8.798 122.165,8.707 122.292,8.707 122.377,8.792 122.377,8.919 122.287,9.01 122.287,9.137 122.371,9.222 122.499,9.222 122.682,9.038 122.81,9.038 122.895,9.123 122.895,9.25 122.775,9.37 122.775,9.497 123.131,9.854 123.581,10.304 123.706,10.429 123.706,10.481 123.781,10.556 123.931,10.556 124.006,10.481 124.006,10.345 124.081,10.27 124.231,10.27 124.306,10.345 124.306,10.446 124.381,10.521 124.531,10.521 124.606,10.446 124.606,9.177 124.681,9.102 124.831,9.102 124.906,9.177 124.906,10.735 124.981,10.81 125.131,10.81 125.206,10.735 125.206,10.475 125.281,10.4 125.387,10.4 125.766,10.779 125.997,11.01 126.284,11.01 126.655,11.381 126.655,11.927 128.449,13.721 128.74,13.721 128.875,13.856 128.875,14.147 129.235,14.507 129.235,15.725 129.77,16.26 129.77,17.151 129.39,17.532 129.39,17.73 129.77,18.11 129.77,18.602 129.39,18.982 129.39,19.36 129.77,19.74 129.77,20.45 129.397,20.823 129.397,21.56 130.485,22.648 130.485,23.426 131.35,24.291 131.35,24.989 131.474,25.113 131.474,25.565 131.845,25.936 v1(131.845,25.951)
  L8 Bot w0.1: Slot1.54@118.05,1.45 v1(118.05,3.47)
PS_MIO51: Slot1.40 U1.B9 | length 45.1
  L1 Top w0.2: U1.B9@128.245,25.551 v1(128.645,25.151)
  L6 Sig w0.1: v1(113.85,3.47) 112.28,5.04 109.4,5.04 109.15,5.29 109.15,8.748 109.382,8.98 110.23,8.98 110.28,8.98 110.355,9.055 110.355,9.062 110.43,9.137 110.58,9.137 110.655,9.062 110.655,8.887 110.73,8.812 110.88,8.812 110.955,8.887 110.955,9.062 111.03,9.137 111.18,9.137 111.255,9.062 111.255,8.887 111.33,8.812 111.48,8.812 111.555,8.887 111.555,9.062 111.63,9.137 111.78,9.137 111.855,9.062 111.855,8.887 111.93,8.812 112.08,8.812 112.155,8.887 112.155,9.062 112.23,9.137 112.38,9.137 112.455,9.062 112.455,8.887 112.53,8.812 112.68,8.812 112.755,8.887 112.755,8.905 112.83,8.98 112.899,8.98 120.004,8.98 123.634,12.61 125.43,12.61 126.475,13.655 126.475,13.961 126.755,14.241 126.755,22.822 128.645,24.712 v1(128.645,25.151)
  L8 Bot w0.1: Slot1.40@113.85,1.45 v1(113.85,3.47)
PS_MIO52: Slot1.42 U1.C10 | length 45
  L1 Top w0.2: U1.C10@129.045,24.751 v1(129.445,25.151)
  L6 Sig w0.1: v1(114.45,3.47) 112.57,5.35 109.79,5.35 109.49,5.65 109.49,8.3 109.822,8.632 113.74,8.632 113.79,8.632 113.865,8.707 113.865,8.725 113.94,8.8 114.09,8.8 114.165,8.725 114.165,8.542 114.24,8.467 114.39,8.467 114.465,8.542 114.465,8.725 114.54,8.8 114.69,8.8 114.765,8.725 114.765,8.542 114.84,8.467 114.99,8.467 115.065,8.542 115.065,8.725 115.14,8.8 115.29,8.8 115.365,8.725 115.365,8.542 115.44,8.467 115.59,8.467 115.665,8.542 115.665,8.725 115.74,8.8 115.89,8.8 115.965,8.725 115.965,8.707 116.04,8.632 116.14,8.632 119.991,8.632 123.292,11.932 125.007,11.932 126.655,13.58 126.655,13.886 127.36,14.591 127.36,22.972 127.602,23.214 127.888,23.214 128.16,23.487 128.16,23.77 129.445,25.055 v1(129.445,25.151)
  L8 Bot w0.1: Slot1.42@114.45,1.45 v1(114.45,3.47)
PS_MIO53: Slot1.48 U1.C11 | length 45
  L1 Top w0.2: U1.C11@129.845,24.751 v1(130.245,25.151)
  L6 Sig w0.1: v1(116.25,3.47) 113.35,6.37 111.03,6.37 110.78,6.62 110.78,7.38 111.067,7.667 116.203,7.667 116.483,7.387 116.494,7.376 116.533,7.376 116.608,7.451 116.608,7.498 116.683,7.573 116.833,7.573 116.908,7.498 116.908,7.398 116.983,7.323 117.133,7.323 117.208,7.398 117.208,7.561 117.283,7.636 117.433,7.636 117.508,7.561 117.508,7.398 117.583,7.323 117.733,7.323 117.808,7.398 117.808,7.498 117.883,7.573 118.033,7.573 118.108,7.498 118.108,7.398 118.183,7.323 118.333,7.323 118.408,7.398 118.408,7.498 118.483,7.573 118.633,7.573 118.708,7.498 118.708,7.398 118.783,7.323 118.933,7.323 119.008,7.398 119.008,7.7 119.083,7.775 119.233,7.775 119.308,7.7 119.308,7.398 119.383,7.323 119.533,7.323 119.608,7.398 119.608,7.7 119.683,7.775 119.833,7.775 119.944,7.664 120.05,7.664 120.234,7.848 120.234,7.963 123.663,11.392 125.357,11.392 127.635,13.67 127.635,13.775 128.355,14.496 128.355,22.091 128.605,22.341 128.896,22.341 129.08,22.525 129.08,23.695 130.188,24.803 130.188,25.094 v1(130.245,25.151)
  L8 Bot w0.1: Slot1.48@116.25,1.45 v1(116.25,3.47)
PSCLK: R1.1 U1.E7 | length 10.2
  L1 Top w0.254: v1(126.245,23.551) U1.E7@126.645,23.151
  L8 Bot w0.2: R1.1@118.61,27.318 118.622,27.318 118.735,27.205 118.735,27.193 121.157,24.771 125.708,24.771 125.825,24.654 125.825,24.235 125.865,24.195 125.865,24.194 126.088,23.971 126.089,23.971 126.223,23.837 126.223,23.573 v1(126.245,23.551)
RST.0: R30.1 U1.C7 | length 3.9
  L1 Top w0.1: v1(127.24,27.41) R30.1@127.24,27.905
  L1 Top w0.254: v1(126.245,25.151) U1.C7@126.645,24.751
  L8 Bot w0.1: v1(126.245,25.151) 126.302,25.208 126.302,25.49 126.66,25.847 126.66,25.95 126.715,26.005 126.715,27.115 127.03,27.43 127.18,27.43 127.2,27.41 v1(127.24,27.41)
RY/#BY_0: IC1.C8 R18.1 U1.C5 | length 41.6
  L1 Top w0.1: R18.1@141.74,14.926 141.896,15.082 141.896,15.436 143.132,16.672 v1(143.132,18.044) IC1.C8@142.761,18.415
  L1 Top w0.254: v1(124.645,25.151) U1.C5@125.045,24.751
  L3 Sig w0.1: v1(124.645,25.151) 125.16,25.666 125.16,26.92 127.33,29.09 144.52,29.09 145.84,27.77 v1@145.84,26.98
  L8 Bot w0.1: v1(143.132,18.044) 143.132,18.622 144.34,19.83 144.34,24.98 143.99,25.33 143.99,25.36 143.59,25.76 143.59,26.63 143.86,26.9 144.855,26.9 145.075,26.68 145.53,26.68 v1(145.83,26.98)
SD_CMD: J1.P3 R90.1 U1.P18 | length 39.4
  L1 Top w0.254: U1.P18@135.445,15.951 v1(135.845,15.551)
  L8 Bot w0.1: v1(135.845,15.551) 136.26,15.136 136.26,14.89 136.315,14.835 136.315,14.614 136.529,14.4 137.87,14.4 138.21,14.74 143.74,14.74 144.88,13.6 144.88,8.09 147.84,5.13 148.193,5.13 148.243,5.13 ccw(c148.243,5.23) 148.343,5.23 148.343,5.25 cw(c148.433,5.25) 148.433,5.34 148.553,5.34 cw(c148.553,5.25) 148.643,5.25 148.643,5.03 ccw(c148.733,5.03) 148.733,4.94 148.853,4.94 ccw(c148.853,5.03) 148.943,5.03 148.943,5.25 cw(c149.033,5.25) 149.033,5.34 149.153,5.34 cw(c149.153,5.25) 149.243,5.25 149.243,5.03 ccw(c149.333,5.03) 149.333,4.94 149.453,4.94 ccw(c149.453,5.03) 149.543,5.03 149.543,5.25 cw(c149.633,5.25) 149.633,5.34 149.753,5.34 cw(c149.753,5.25) 149.843,5.25 149.843,5.03 ccw(c149.933,5.03) 149.933,4.94 150.053,4.94 ccw(c150.053,5.03) 150.143,5.03 150.143,5.25 cw(c150.233,5.25) 150.233,5.34 150.353,5.34 cw(c150.353,5.25) 150.443,5.25 150.443,5.03 ccw(c150.533,5.03) 150.533,4.94 150.653,4.94 ccw(c150.653,5.03) 150.743,5.03 150.743,5.25 cw(c150.833,5.25) 150.833,5.34 150.953,5.34 cw(c150.953,5.25) 151.043,5.25 151.043,5.03 ccw(c151.133,5.03) 151.133,4.94 151.253,4.94 ccw(c151.253,5.03) 151.343,5.03 151.343,5.25 cw(c151.433,5.25) 151.433,5.34 151.553,5.34 cw(c151.553,5.25) 151.643,5.25 151.643,5.03 ccw(c151.733,5.03) 151.733,4.94 151.853,4.94 ccw(c151.853,5.03) 151.943,5.03 151.943,5.25 cw(c152.033,5.25) 152.033,5.34 152.153,5.34 cw(c152.153,5.25) 152.243,5.25 152.243,5.03 ccw(c152.333,5.03) 152.333,4.94 152.453,4.94 ccw(c152.453,5.03) 152.543,5.03 152.543,5.25 cw(c152.633,5.25) 152.633,5.34 152.753,5.34 cw(c152.753,5.25) 152.843,5.25 152.843,5.03 ccw(c152.933,5.03) 152.933,4.94 153.053,4.94 ccw(c153.053,5.03) 153.143,5.03 153.143,5.25 cw(c153.233,5.25) 153.233,5.34 153.353,5.34 cw(c153.353,5.25) 153.443,5.25 153.443,5.03 ccw(c153.533,5.03) 153.533,4.94 153.653,4.94 ccw(c153.653,5.03) 153.743,5.03 153.743,5.25 cw(c153.833,5.25) 153.833,5.34 153.953,5.34 cw(c153.953,5.25) 154.043,5.25 154.043,5.23 ccw(c154.143,5.23) 154.143,5.13 154.576,5.13 155.992,5.13 R90.1@158.187,7.325 158.187,8.727 J1.P3@158.195,8.735